# Altium PCB PCB-Mezzanine.PcbDoc
Units mm, origin at the board's own origin, x right, y up, seen from the top; angles counter-clockwise.
Board outline 133.2 x 100 mm, 2 copper layers (Top Layer, Bottom Layer); 362 components, 252 nets, 1142 pads, 0 vias.
Unrouted connection lines stored in the file: 844.
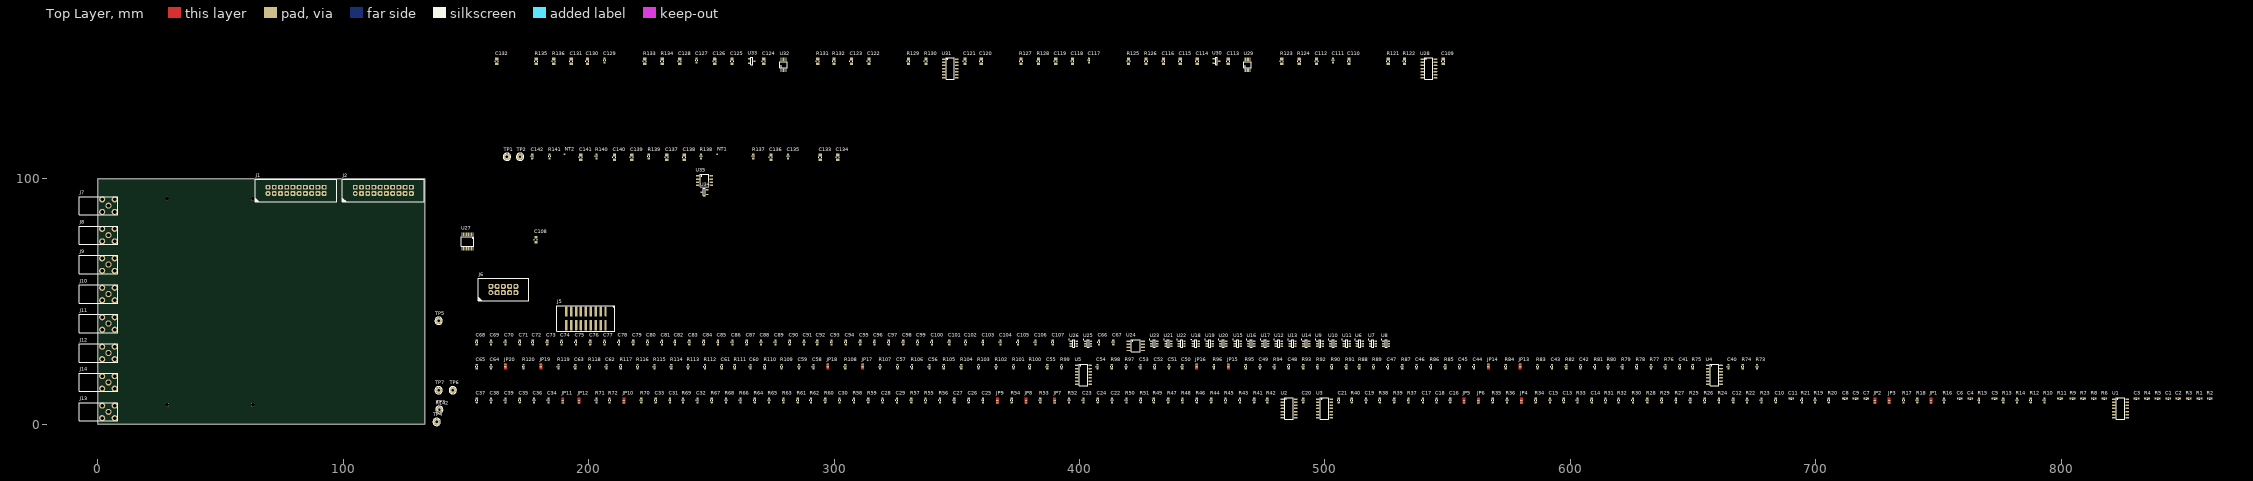
[diagram p0: Top Layer view]
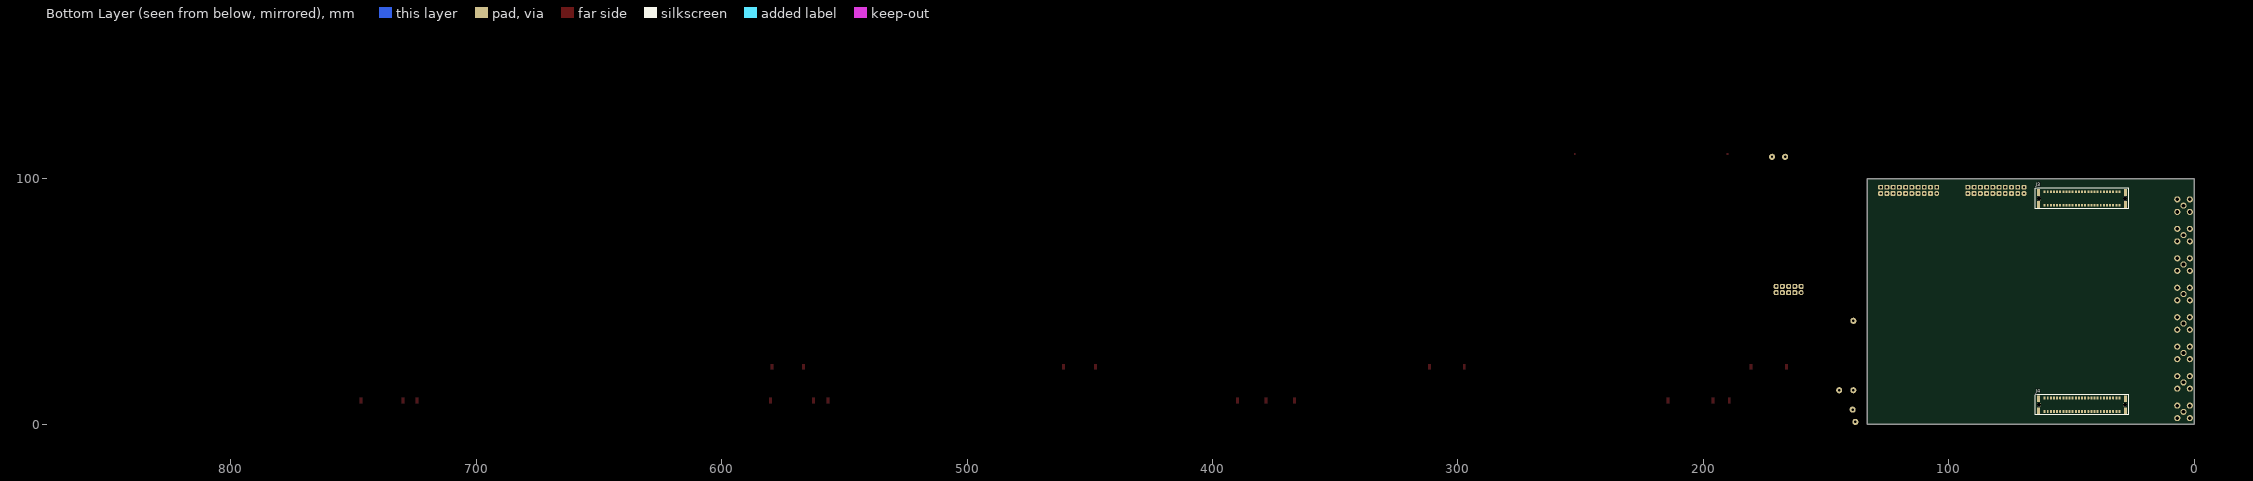
[diagram p1: Bottom Layer view, seen from below]

## Layer stack, top to bottom
Top Solder: solder mask 0.0102, Solder Resist, Dk 3.5
Top Layer: signal copper 0.0356
Dielectric 1: dielectric 0.32, FR-4, Dk 4.8
Bottom Layer: signal copper 0.0356
Bottom Solder: solder mask 0.0102, Solder Resist, Dk 3.5

## Board outline
0,0 133.2,0 133.2,100 0,100

## Design rules (kind name [scope] priority, off if disabled: settings)
Clearance [All] p1: gap=0.254 ignorepadtopadclearanceinfootprint=FALSE except(0: Arc-Hole Track-Hole SMDPad-Hole THPad-Hole Via-Hole Fill-Hole Poly-Hole Region-Hole Text-Hole)
DiffPairsRouting [All] p1: maxlimit=0.254 minlimit=0.254 mostfreqgap=0.254 toplayer_minwidth=0.381 toplayer_maxwidth=0.381 toplayer_prefwidth=0.381 bottomlayer_minwidth=0.381 bottomlayer_maxwidth=0.381 bottomlayer_prefwidth=0.381 maxuncoupledlength=12.7
PolygonConnect [All] p1: connectstyle=Relief reliefconductorwidth=0.254 reliefentries=4 polygonreliefangle="90 Angle" airgapwidth=0.254
RoomDefinition AD_3 [InComponentClass('AD_3')] p1: confinementstyle=ConfineIn formatcopy=TRUE lockcomponents=FALSE outline 153.543,28.956 527.05,28.956 527.05,37.592 153.543,37.592
RoomDefinition AD_1 [InComponentClass('AD_1')] p2: confinementstyle=ConfineIn formatcopy=TRUE lockcomponents=FALSE outline 153.543,15.24 680.085,15.24 680.085,27.686 153.543,27.686
RoomDefinition AD_0 [InComponentClass('AD_0')] p3: confinementstyle=ConfineIn formatcopy=TRUE lockcomponents=FALSE outline 153.543,1.524 862.203,1.524 862.203,13.97 153.543,13.97
RoutingVias [All] p1: holewidth=0.711 width=1.27 viastyle="Through Hole" minholewidth=0.4 minwidth=0.7 maxholewidth=0.4 maxwidth=0.7
SolderMaskExpansion [All] p1: expansion=0.102
Width [All] p1: maxlimit=0.254 minlimit=0.254 preferedwidth=0.254
29 further rules are at their usual default settings.

## Classes and differential pairs
component class Supply_0: C133 C134 C135 C136 C137 C138 C139 C140 C141 C142 NT1 NT2 R137 R138 R139 R140 R141 TP1 TP2 TP5 TP6 TP7 U34 U35
component class DAC_0: C109 C110 C111 C112 C113 C114 C115 C116 C117 C118 C119 C120 C121 C122 C123 C124 C125 C126 C127 C128 C129 C130 C131 C132 J7 J8 J9 J10 J11 J12 J13 J14 R121 R122 R123 R124 R125 R126 R127 R128 R129 R130 R131 R132 R133 R134 R135 R136 U28 U29 U30 U31 U32 U33
component class Connector_0: C108 J1 J2 J3 J4 J5 J6 U27
component class AD_3: C66 C67 C68 C69 C70 C71 C72 C73 C74 C75 C76 C77 C78 C79 C80 C81 C82 C83 C84 C85 C86 C87 C88 C89 C90 C91 C92 C93 C94 C95 C96 C97 C98 C99 C100 C101 C102 C103 C104 C105 C106 C107 R142 TP3 TP4 U6 U7 U8 U9 U10 U11 U12 U13 U14 U15 U16 U17 U18 U19 U20 U21 U22 U23 U24 U25 U26
component class AD_1: C40 C41 C42 C43 C44 C45 C46 C47 C48 C49 C50 C51 C52 C53 C54 C55 C56 C57 C58 C59 C60 C61 C62 C63 C64 C65 JP13 JP14 JP15 JP16 JP17 JP18 JP19 JP20 R73 R74 R75 R76 R77 R78 R79 R80 R81 R82 R83 R84 R85 R86 R87 R88 R89 R90 R91 R92 R93 R94 R95 R96 R97 R98 R99 R100 R101 R102 R103 R104 R105 R106 R107 R108 R109 R110 R111 R112 R113 R114 R115 R116 R117 R118 R119 R120 U4 U5
component class AD_0: C1 C2 C3 C4 C5 C6 C7 C8 C9 C10 C11 C12 C13 C14 C15 C16 C17 C18 C19 C20 C21 C22 C23 C24 C25 C26 C27 C28 C29 C30 C31 C32 C33 C34 C35 C36 C37 C38 C39 JP1 JP2 JP3 JP4 JP5 JP6 JP7 JP8 JP9 JP10 JP11 JP12 R1 R2 R3 R4 R5 R6 R7 R8 R9 R10 R11 R12 R13 R14 R15 R16 R17 R18 R19 R20 R21 R22 R23 R24 R25 R26 R27 R28 R29 R30 R31 R32 R33 R34 R35 R36 R37 R38 R39 R40 R41 R42 R43 R44 R45 R46 R47 R48 R49 R50 R51 R52 R53 R54 R55 R56 R57 R58 R59 R60 R61 R62 R63 R64 R65 R66 R67 R68 R69 R70 R71 R72 U1 U2 U3
differential pair MEAS_19: +MEAS_19_P -MEAS_19_N
differential pair MEAS_18: +MEAS_18_P -MEAS_18_N
differential pair MEAS_17: +MEAS_17_P -MEAS_17_N
differential pair MEAS_16: +MEAS_16_P -MEAS_16_N
differential pair MEAS_15: +MEAS_15_P -MEAS_15_N
differential pair MEAS_14: +MEAS_14_P -MEAS_14_N
differential pair MEAS_13: +MEAS_13_P -MEAS_13_N
differential pair MEAS_12: +MEAS_12_P -MEAS_12_N
differential pair MEAS_11: +MEAS_11_P -MEAS_11_N
differential pair MEAS_10: +MEAS_10_P -MEAS_10_N
differential pair MEAS_9: +MEAS_9_P -MEAS_9_N
differential pair MEAS_8: +MEAS_8_P -MEAS_8_N
differential pair MEAS_7: +MEAS_7_P -MEAS_7_N
differential pair MEAS_6: +MEAS_6_P -MEAS_6_N
differential pair MEAS_5: +MEAS_5_P -MEAS_5_N
differential pair MEAS_4: +MEAS_4_P -MEAS_4_N
differential pair MEAS_3: +MEAS_3_P -MEAS_3_N
differential pair MEAS_2: +MEAS_2_P -MEAS_2_N
differential pair MEAS_1: +MEAS_1_P -MEAS_1_N
differential pair MEAS_0: +MEAS_0_P -MEAS_0_N

## Components (designator, comment, footprint, x,y, rotation, side; value= is the part's Value field where it differs from the comment)
C1 "47p" "CAPACITOR 1608 REFLOW" 843.534,10.541 r0 top
C2 "47p" "CAPACITOR 1608 REFLOW" 847.598,10.541 r0 top
C3 "47p" "CAPACITOR 1608 REFLOW" 830.58,10.541 r0 top
C4 "2n2" "CAPACITOR 1608 REFLOW" 762.889,10.541 r0 top
C5 "2n2" "CAPACITOR 1608 REFLOW" 772.795,10.541 r0 top
C6 "2n2" "CAPACITOR 1608 REFLOW" 758.571,10.541 r0 top
C7 "47p" "CAPACITOR 1608 REFLOW" 720.471,10.541 r0 top
C8 "47p" "CAPACITOR 1608 REFLOW" 711.835,10.541 r0 top
C9 "47p" "CAPACITOR 1608 REFLOW" 716.153,10.541 r0 top
C10 "47p" "CAPACITOR 1608 REFLOW" 683.641,9.779 r90 top
C11 "47p" "CAPACITOR 1608 REFLOW" 689.991,10.541 r0 top
C12 "47p" "CAPACITOR 1608 REFLOW" 666.369,9.779 r90 top
C13 "2n2" "CAPACITOR 1608 REFLOW" 597.281,9.779 r90 top
C14 "2n2" "CAPACITOR 1608 REFLOW" 608.711,9.779 r90 top
C15 "2n2" "CAPACITOR 1608 REFLOW" 591.693,9.779 r90 top
C16 "47p" "CAPACITOR 1608 REFLOW" 551.053,9.779 r90 top
C17 "47p" "CAPACITOR 1608 REFLOW" 539.877,9.779 r90 top
C18 "47p" "CAPACITOR 1608 REFLOW" 545.465,9.779 r90 top
C19 "47p" "CAPACITOR 1608 REFLOW" 516.763,9.779 r90 top
C20 "47p" "CAPACITOR 1608 REFLOW" 491.109,9.779 r90 top
C21 "47p" "CAPACITOR 1608 REFLOW" 505.587,9.779 r90 top
C22 "2n2" "CAPACITOR 1608 REFLOW" 413.258,9.779 r90 top
C23 "2n2" "CAPACITOR 1608 REFLOW" 401.574,9.779 r90 top
C24 "2n2" "CAPACITOR 1608 REFLOW" 407.416,9.779 r90 top
C25 "47p" "CAPACITOR 1608 REFLOW" 360.68,9.779 r90 top
C26 "47p" "CAPACITOR 1608 REFLOW" 354.838,9.779 r90 top
C27 "47p" "CAPACITOR 1608 REFLOW" 348.996,9.779 r90 top
C28 "47p" "CAPACITOR 1608 REFLOW" 319.786,9.779 r90 top
C29 "47p" "CAPACITOR 1608 REFLOW" 325.628,9.779 r90 top
C30 "47p" "CAPACITOR 1608 REFLOW" 302.26,9.779 r90 top
C31 "2n2" "CAPACITOR 1608 REFLOW" 233.172,9.779 r90 top
C32 "2n2" "CAPACITOR 1608 REFLOW" 244.348,9.779 r90 top
C33 "2n2" "CAPACITOR 1608 REFLOW" 227.33,9.779 r90 top
C34 "47p" "CAPACITOR 1608 REFLOW" 183.642,9.779 r90 top
C35 "47p" "CAPACITOR 1608 REFLOW" 171.958,9.779 r90 top
C36 "47p" "CAPACITOR 1608 REFLOW" 177.8,9.779 r90 top
C37 "100n" "CAPACITOR 1608 REFLOW" 154.432,9.779 r90 top
C38 "100n" "CAPACITOR 1608 REFLOW" 160.274,9.779 r90 top
C39 "100n" "CAPACITOR 1608 REFLOW" 166.116,9.779 r90 top
C40 "47p" "CAPACITOR 1608 REFLOW" 664.337,23.495 r90 top
C41 "47p" "CAPACITOR 1608 REFLOW" 644.525,23.495 r90 top
C42 "2n2" "CAPACITOR 1608 REFLOW" 604.139,23.495 r90 top
C43 "2n2" "CAPACITOR 1608 REFLOW" 592.455,23.495 r90 top
C44 "47p" "CAPACITOR 1608 REFLOW" 560.705,23.495 r90 top
C45 "47p" "CAPACITOR 1608 REFLOW" 554.863,23.495 r90 top
C46 "47p" "CAPACITOR 1608 REFLOW" 537.337,23.495 r90 top
C47 "47p" "CAPACITOR 1608 REFLOW" 525.653,23.495 r90 top
C48 "2n2" "CAPACITOR 1608 REFLOW" 485.267,23.495 r90 top
C49 "2n2" "CAPACITOR 1608 REFLOW" 473.583,23.495 r90 top
C50 "100n" "CAPACITOR 1608 REFLOW" 441.833,23.495 r90 top
C51 "47p" "CAPACITOR 1608 REFLOW" 436.499,23.495 r90 top
C52 "47p" "CAPACITOR 1608 REFLOW" 430.657,23.495 r90 top
C53 "100n" "CAPACITOR 1608 REFLOW" 424.815,23.495 r90 top
C54 "47p" "CAPACITOR 1608 REFLOW" 407.289,23.495 r90 top
C55 "47p" "CAPACITOR 1608 REFLOW" 386.842,23.495 r90 top
C56 "2n2" "CAPACITOR 1608 REFLOW" 338.836,23.495 r90 top
C57 "2n2" "CAPACITOR 1608 REFLOW" 325.882,23.495 r90 top
C58 "47p" "CAPACITOR 1608 REFLOW" 291.592,23.495 r90 top
C59 "47p" "CAPACITOR 1608 REFLOW" 285.75,23.495 r90 top
C60 "47p" "CAPACITOR 1608 REFLOW" 265.938,23.495 r90 top
C61 "47p" "CAPACITOR 1608 REFLOW" 254.254,23.495 r90 top
C62 "2n2" "CAPACITOR 1608 REFLOW" 207.264,23.495 r90 top
C63 "2n2" "CAPACITOR 1608 REFLOW" 194.564,23.495 r90 top
C64 "47p" "CAPACITOR 1608 REFLOW" 160.274,23.495 r90 top
C65 "47p" "CAPACITOR 1608 REFLOW" 154.432,23.495 r90 top
C66 "1uF" "CAPACITOR 1608 REFLOW" 407.924,33.401 r90 top
C67 "2uF" "CAPACITOR 1608 REFLOW" 413.766,33.401 r90 top
C68 "1uF" "CAPACITOR 1608 REFLOW" 154.432,33.401 r90 top
C69 "10nF" "CAPACITOR 1608 REFLOW" 160.274,33.401 r90 top
C70 "1uF" "CAPACITOR 1608 REFLOW" 166.116,33.401 r90 top
C71 "10nF" "CAPACITOR 1608 REFLOW" 171.958,33.401 r90 top
C72 "1uF" "CAPACITOR 1608 REFLOW" 177.292,33.401 r90 top
C73 "10nF" "CAPACITOR 1608 REFLOW" 183.134,33.401 r90 top
C74 "1uF" "CAPACITOR 1608 REFLOW" 188.976,33.401 r90 top
C75 "10nF" "CAPACITOR 1608 REFLOW" 194.818,33.401 r90 top
C76 "1uF" "CAPACITOR 1608 REFLOW" 200.66,33.401 r90 top
C77 "10nF" "CAPACITOR 1608 REFLOW" 206.502,33.401 r90 top
C78 "1uF" "CAPACITOR 1608 REFLOW" 212.344,33.401 r90 top
C79 "10nF" "CAPACITOR 1608 REFLOW" 218.186,33.401 r90 top
C80 "1uF" "CAPACITOR 1608 REFLOW" 224.028,33.401 r90 top
C81 "10nF" "CAPACITOR 1608 REFLOW" 229.87,33.401 r90 top
C82 "1uF" "CAPACITOR 1608 REFLOW" 235.204,33.401 r90 top
C83 "10nF" "CAPACITOR 1608 REFLOW" 241.046,33.401 r90 top
C84 "1uF" "CAPACITOR 1608 REFLOW" 246.888,33.401 r90 top
C85 "10nF" "CAPACITOR 1608 REFLOW" 252.73,33.401 r90 top
C86 "1uF" "CAPACITOR 1608 REFLOW" 258.572,33.401 r90 top
C87 "10nF" "CAPACITOR 1608 REFLOW" 264.414,33.401 r90 top
C88 "1uF" "CAPACITOR 1608 REFLOW" 270.256,33.401 r90 top
C89 "10nF" "CAPACITOR 1608 REFLOW" 276.098,33.401 r90 top
C90 "1uF" "CAPACITOR 1608 REFLOW" 281.94,33.401 r90 top
C91 "10nF" "CAPACITOR 1608 REFLOW" 287.782,33.401 r90 top
C92 "1uF" "CAPACITOR 1608 REFLOW" 293.116,33.401 r90 top
C93 "10nF" "CAPACITOR 1608 REFLOW" 298.958,33.401 r90 top
C94 "1uF" "CAPACITOR 1608 REFLOW" 304.8,33.401 r90 top
C95 "10nF" "CAPACITOR 1608 REFLOW" 310.642,33.401 r90 top
C96 "1uF" "CAPACITOR 1608 REFLOW" 316.484,33.401 r90 top
C97 "10nF" "CAPACITOR 1608 REFLOW" 322.326,33.401 r90 top
C98 "1uF" "CAPACITOR 1608 REFLOW" 328.168,33.401 r90 top
C99 "10nF" "CAPACITOR 1608 REFLOW" 334.01,33.401 r90 top
C100 "1uF" "CAPACITOR 1608 REFLOW" 339.852,33.401 r90 top
C101 "10nF" "CAPACITOR 1608 REFLOW" 346.964,33.401 r90 top
C102 "1uF" "CAPACITOR 1608 REFLOW" 353.568,33.401 r90 top
C103 "10nF" "CAPACITOR 1608 REFLOW" 360.68,33.401 r90 top
C104 "1uF" "CAPACITOR 1608 REFLOW" 367.792,33.401 r90 top
C105 "10nF" "CAPACITOR 1608 REFLOW" 374.904,33.401 r90 top
C106 "1uF" "CAPACITOR 1608 REFLOW" 382.016,33.401 r90 top
C107 "10nF" "CAPACITOR 1608 REFLOW" 389.128,33.401 r90 top
C108 "100n" "CAPACITOR 2012 REFLOW" 178.562,75.184 r90 top
C109 "100p" "CAPACITOR 2012 REFLOW" 548.139,147.889 r90 top
C110 "150p" "CAPACITOR 2012 REFLOW" 509.785,147.889 r90 top
C111 "100n" "CAPACITOR 1608 REFLOW" 503.308,148.27 r90 top
C112 "100p" "CAPACITOR 2012 REFLOW" 496.577,147.889 r90 top
C113 "150p" "CAPACITOR 2012 REFLOW" 460.636,147.889 r90 top
C114 "100n" "CAPACITOR 2012 REFLOW" 447.936,147.889 r90 top
C115 "1u" "CAPACITOR 2012 REFLOW" 441.078,147.889 r90 top
C116 "100p" "CAPACITOR 2012 REFLOW" 434.22,147.889 r90 top
C117 "100n" "CAPACITOR 1608 REFLOW" 403.867,148.27 r90 top
C118 "150p" "CAPACITOR 2012 REFLOW" 397.136,147.889 r90 top
C119 "100p" "CAPACITOR 2012 REFLOW" 390.278,147.889 r90 top
C120 "150p" "CAPACITOR 2012 REFLOW" 359.925,147.889 r90 top
C121 "100p" "CAPACITOR 2012 REFLOW" 353.321,147.889 r90 top
C122 "150p" "CAPACITOR 2012 REFLOW" 314.205,147.889 r90 top
C123 "100p" "CAPACITOR 2012 REFLOW" 307.093,147.889 r90 top
C124 "150p" "CAPACITOR 2012 REFLOW" 271.406,147.889 r90 top
C125 "100n" "CAPACITOR 2012 REFLOW" 258.452,147.889 r90 top
C126 "1u" "CAPACITOR 2012 REFLOW" 251.34,147.889 r90 top
C127 "100n" "CAPACITOR 1608 REFLOW" 243.974,148.27 r90 top
C128 "100p" "CAPACITOR 2012 REFLOW" 237.116,147.889 r90 top
C129 "100n" "CAPACITOR 1608 REFLOW" 206.509,148.27 r90 top
C130 "150p" "CAPACITOR 2012 REFLOW" 199.524,147.889 r90 top
C131 "100p" "CAPACITOR 2012 REFLOW" 192.92,147.889 r90 top
C132 "150p" "CAPACITOR 2012 REFLOW" 162.567,147.889 r90 top
C133 "10uF" "CAPACITOR 2012 REFLOW" 294.356,108.756 r90 top
C134 "100nF" "CAPACITOR 2012 REFLOW" 301.468,108.756 r90 top
C135 "100n" "CAPACITOR 1608 REFLOW" 281.275,109.137 r90 top
C136 "3u3" "CAPACITOR 2012 REFLOW" 274.29,108.756 r90 top
C137 "10uF" "CAPACITOR 2012 REFLOW" 231.872,108.756 r90 top
C138 "100nF" "CAPACITOR 2012 REFLOW" 238.984,108.756 r90 top
C139 "10u" "CAPACITOR 2012 REFLOW" 217.648,108.756 r90 top
C140 "3u3" "CAPACITOR 2012 REFLOW" 210.536,108.756 r90 top
C141 "1u" "CAPACITOR 2012 REFLOW" 196.82,108.756 r90 top
C142 "100n" "CAPACITOR 1608 REFLOW" 177.008,109.137 r90 top
J1 "61202021621" "FlatCable2x10 2.54MM Straight TH" 80.83,95.33 r0 top locked
J2 "61202021621" "FlatCable2x10 2.54MM Straight TH" 116.37,95.33 r0 top locked
J3 "ERNI SMC-Q50-SMD-BA" "ERNI SMC-Q50-SMD-BA" 45.75,92 r0 bottom locked
J4 "ERNI SMC-Q50-SMD-BA" "ERNI SMC-Q50-SMD-BA" 45.75,8 r0 bottom locked
J5 "98464-G61-18ULF" "FlatCable2x9 2MM Straight SMD FCI 98414-G52-18ALF" 198.9,43.2 r180 top
J6 "61201021721" "FlatCable2x5 2.54MM Straight TH" 165.28,54.93 r0 top
J7 "CONSMA002-G" "SMA TH Right Angle Linx CONSMA002" 4.4,89.1 r0 top locked
J8 "CONSMA002-G" "SMA TH Right Angle Linx CONSMA002" 4.4,77.1 r0 top locked
J9 "CONSMA002-G" "SMA TH Right Angle Linx CONSMA002" 4.4,65.1 r0 top locked
J10 "CONSMA002-G" "SMA TH Right Angle Linx CONSMA002" 4.4,53.1 r0 top locked
J11 "CONSMA002-G" "SMA TH Right Angle Linx CONSMA002" 4.4,41.1 r0 top locked
J12 "CONSMA002-G" "SMA TH Right Angle Linx CONSMA002" 4.4,29.1 r0 top locked
J13 "CONSMA002-G" "SMA TH Right Angle Linx CONSMA002" 4.4,5.1 r0 top locked
J14 "CONSMA002-G" "SMA TH Right Angle Linx CONSMA002" 4.4,17.1 r0 top locked
JP1 "{Value}" "JUMPER3 SMD 1608" 746.887,9.779 r90 top
JP2 "{Value}" "JUMPER3 SMD 1608" 724.027,9.779 r90 top
JP3 "{Value}" "JUMPER3 SMD 1608" 729.869,9.779 r90 top
JP4 "{Value}" "JUMPER3 SMD 1608" 580.009,9.779 r90 top
JP5 "{Value}" "JUMPER3 SMD 1608" 556.641,9.779 r90 top
JP6 "{Value}" "JUMPER3 SMD 1608" 562.483,9.779 r90 top
JP7 "{Value}" "JUMPER3 SMD 1608" 389.89,9.779 r90 top
JP8 "{Value}" "JUMPER3 SMD 1608" 378.206,9.779 r90 top
JP9 "{Value}" "JUMPER3 SMD 1608" 366.522,9.779 r90 top
JP10 "{Value}" "JUMPER3 SMD 1608" 214.376,9.779 r90 top
JP11 "{Value}" "JUMPER3 SMD 1608" 189.484,9.779 r90 top
JP12 "{Value}" "JUMPER3 SMD 1608" 196.088,9.779 r90 top
JP13 "{Value}" "JUMPER3 SMD 1608" 579.501,23.495 r90 top
JP14 "{Value}" "JUMPER3 SMD 1608" 566.547,23.495 r90 top
JP15 "{Value}" "JUMPER3 SMD 1608" 460.629,23.495 r90 top
JP16 "{Value}" "JUMPER3 SMD 1608" 447.675,23.495 r90 top
JP17 "{Value}" "JUMPER3 SMD 1608" 311.658,23.495 r90 top
JP18 "{Value}" "JUMPER3 SMD 1608" 297.434,23.495 r90 top
JP19 "{Value}" "JUMPER3 SMD 1608" 180.594,23.495 r90 top
JP20 "{Value}" "JUMPER3 SMD 1608" 166.116,23.495 r90 top
NT1 "Net Tie" "NET TIE 1005" 252.446,110.153 r90 top net-tie
NT2 "Net Tie" "NET TIE 1005" 190.216,110.153 r90 top net-tie
R1 "18k" "RESISTOR 1608 REFLOW" 856.234,10.541 r0 top
R2 "18k" "RESISTOR 1608 REFLOW" 860.425,10.541 r0 top
R3 "18k" "RESISTOR 1608 REFLOW" 851.916,10.541 r0 top
R4 "8k2" "RESISTOR 1608 REFLOW" 834.898,10.541 r0 top
R5 "8k2" "RESISTOR 1608 REFLOW" 839.216,10.541 r0 top
R6 "8k2" "RESISTOR 1608 REFLOW" 817.499,10.541 r0 top
R7 "82R" "RESISTOR 1608 REFLOW" 808.863,10.541 r0 top
R8 "82R" "RESISTOR 1608 REFLOW" 813.181,10.541 r0 top
R9 "82R" "RESISTOR 1608 REFLOW" 804.545,10.541 r0 top
R10 "8k2" "RESISTOR 1608 REFLOW" 793.115,9.779 r90 top
R11 "8k2" "RESISTOR 1608 REFLOW" 799.465,10.541 r0 top
R12 "8k2" "RESISTOR 1608 REFLOW" 787.527,9.779 r90 top
R13 "10k" "RESISTOR 1608 REFLOW" 776.351,9.779 r90 top
R14 "10k" "RESISTOR 1608 REFLOW" 781.939,9.779 r90 top
R15 "10k" "RESISTOR 1608 REFLOW" 766.445,9.779 r90 top
R16 "18k" "RESISTOR 1608 REFLOW" 752.221,9.779 r90 top
R17 "18k" "RESISTOR 1608 REFLOW" 735.711,9.779 r90 top
R18 "18k" "RESISTOR 1608 REFLOW" 741.299,9.779 r90 top
R19 "18k" "RESISTOR 1608 REFLOW" 699.643,9.779 r90 top
R20 "18k" "RESISTOR 1608 REFLOW" 705.231,9.779 r90 top
R21 "18k" "RESISTOR 1608 REFLOW" 694.309,9.779 r90 top
R22 "8k2" "RESISTOR 1608 REFLOW" 671.957,9.779 r90 top
R23 "8k2" "RESISTOR 1608 REFLOW" 677.799,9.779 r90 top
R24 "8k2" "RESISTOR 1608 REFLOW" 660.527,9.779 r90 top
R25 "82R" "RESISTOR 1608 REFLOW" 648.843,9.779 r90 top
R26 "82R" "RESISTOR 1608 REFLOW" 654.685,9.779 r90 top
R27 "82R" "RESISTOR 1608 REFLOW" 643.001,9.779 r90 top
R28 "8k2" "RESISTOR 1608 REFLOW" 631.317,9.779 r90 top
R29 "8k2" "RESISTOR 1608 REFLOW" 637.159,9.779 r90 top
R30 "8k2" "RESISTOR 1608 REFLOW" 625.475,9.779 r90 top
R31 "10k" "RESISTOR 1608 REFLOW" 614.299,9.779 r90 top
R32 "10k" "RESISTOR 1608 REFLOW" 619.633,9.779 r90 top
R33 "10k" "RESISTOR 1608 REFLOW" 602.869,9.779 r90 top
R34 "18k" "RESISTOR 1608 REFLOW" 585.851,9.779 r90 top
R35 "18k" "RESISTOR 1608 REFLOW" 568.325,9.779 r90 top
R36 "18k" "RESISTOR 1608 REFLOW" 574.167,9.779 r90 top
R37 "18k" "RESISTOR 1608 REFLOW" 534.035,9.779 r90 top
R38 "18k" "RESISTOR 1608 REFLOW" 522.351,9.779 r90 top
R39 "18k" "RESISTOR 1608 REFLOW" 528.193,9.779 r90 top
R40 "8k2" "RESISTOR 1608 REFLOW" 510.921,9.779 r90 top
R41 "8k2" "RESISTOR 1608 REFLOW" 471.17,9.779 r90 top
R42 "8k2" "RESISTOR 1608 REFLOW" 476.504,9.779 r90 top
R43 "82R" "RESISTOR 1608 REFLOW" 465.328,9.779 r90 top
R44 "82R" "RESISTOR 1608 REFLOW" 453.644,9.779 r90 top
R45 "82R" "RESISTOR 1608 REFLOW" 459.486,9.779 r90 top
R46 "8k2" "RESISTOR 1608 REFLOW" 447.802,9.779 r90 top
R47 "8k2" "RESISTOR 1608 REFLOW" 436.118,9.779 r90 top
R48 "8k2" "RESISTOR 1608 REFLOW" 441.96,9.779 r90 top
R49 "10k" "RESISTOR 1608 REFLOW" 430.276,9.779 r90 top
R50 "10k" "RESISTOR 1608 REFLOW" 419.1,9.779 r90 top
R51 "10k" "RESISTOR 1608 REFLOW" 424.942,9.779 r90 top
R52 "18k" "RESISTOR 1608 REFLOW" 395.732,9.779 r90 top
R53 "18k" "RESISTOR 1608 REFLOW" 384.048,9.779 r90 top
R54 "18k" "RESISTOR 1608 REFLOW" 372.364,9.779 r90 top
R55 "18k" "RESISTOR 1608 REFLOW" 337.312,9.779 r90 top
R56 "18k" "RESISTOR 1608 REFLOW" 343.154,9.779 r90 top
R57 "18k" "RESISTOR 1608 REFLOW" 331.47,9.779 r90 top
R58 "8k2" "RESISTOR 1608 REFLOW" 308.102,9.779 r90 top
R59 "8k2" "RESISTOR 1608 REFLOW" 313.944,9.779 r90 top
R60 "8k2" "RESISTOR 1608 REFLOW" 296.418,9.779 r90 top
R61 "82R" "RESISTOR 1608 REFLOW" 285.242,9.779 r90 top
R62 "82R" "RESISTOR 1608 REFLOW" 290.576,9.779 r90 top
R63 "82R" "RESISTOR 1608 REFLOW" 279.4,9.779 r90 top
R64 "8k2" "RESISTOR 1608 REFLOW" 267.716,9.779 r90 top
R65 "8k2" "RESISTOR 1608 REFLOW" 273.558,9.779 r90 top
R66 "8k2" "RESISTOR 1608 REFLOW" 261.874,9.779 r90 top
R67 "10k" "RESISTOR 1608 REFLOW" 250.19,9.779 r90 top
R68 "10k" "RESISTOR 1608 REFLOW" 256.032,9.779 r90 top
R69 "10k" "RESISTOR 1608 REFLOW" 238.506,9.779 r90 top
R70 "18k" "RESISTOR 1608 REFLOW" 221.488,9.779 r90 top
R71 "18k" "RESISTOR 1608 REFLOW" 203.2,9.779 r90 top
R72 "18k" "RESISTOR 1608 REFLOW" 208.534,9.779 r90 top
R73 "18k" "RESISTOR 1608 REFLOW" 676.021,23.495 r90 top
R74 "18k" "RESISTOR 1608 REFLOW" 670.179,23.495 r90 top
R75 "8k2" "RESISTOR 1608 REFLOW" 649.859,23.495 r90 top
R76 "8k2" "RESISTOR 1608 REFLOW" 638.683,23.495 r90 top
R77 "82R" "RESISTOR 1608 REFLOW" 632.841,23.495 r90 top
R78 "82R" "RESISTOR 1608 REFLOW" 626.999,23.495 r90 top
R79 "8k2" "RESISTOR 1608 REFLOW" 621.157,23.495 r90 top
R80 "8k2" "RESISTOR 1608 REFLOW" 615.315,23.495 r90 top
R81 "10k" "RESISTOR 1608 REFLOW" 609.981,23.495 r90 top
R82 "10k" "RESISTOR 1608 REFLOW" 598.297,23.495 r90 top
R83 "18k" "RESISTOR 1608 REFLOW" 586.613,23.495 r90 top
R84 "18k" "RESISTOR 1608 REFLOW" 573.659,23.495 r90 top
R85 "18k" "RESISTOR 1608 REFLOW" 549.021,23.495 r90 top
R86 "18k" "RESISTOR 1608 REFLOW" 543.179,23.495 r90 top
R87 "8k2" "RESISTOR 1608 REFLOW" 531.495,23.495 r90 top
R88 "8k2" "RESISTOR 1608 REFLOW" 513.969,23.495 r90 top
R89 "82R" "RESISTOR 1608 REFLOW" 519.811,23.495 r90 top
R90 "82R" "RESISTOR 1608 REFLOW" 502.793,23.495 r90 top
R91 "8k2" "RESISTOR 1608 REFLOW" 508.635,23.495 r90 top
R92 "8k2" "RESISTOR 1608 REFLOW" 496.951,23.495 r90 top
R93 "10k" "RESISTOR 1608 REFLOW" 491.109,23.495 r90 top
R94 "10k" "RESISTOR 1608 REFLOW" 479.425,23.495 r90 top
R95 "18k" "RESISTOR 1608 REFLOW" 467.741,23.495 r90 top
R96 "18k" "RESISTOR 1608 REFLOW" 454.787,23.495 r90 top
R97 "18k" "RESISTOR 1608 REFLOW" 418.973,23.495 r90 top
R98 "18k" "RESISTOR 1608 REFLOW" 413.131,23.495 r90 top
R99 "8k2" "RESISTOR 1608 REFLOW" 392.684,23.495 r90 top
R100 "8k2" "RESISTOR 1608 REFLOW" 379.73,23.495 r90 top
R101 "82R" "RESISTOR 1608 REFLOW" 373.126,23.495 r90 top
R102 "82R" "RESISTOR 1608 REFLOW" 366.014,23.495 r90 top
R103 "8k2" "RESISTOR 1608 REFLOW" 358.902,23.495 r90 top
R104 "8k2" "RESISTOR 1608 REFLOW" 351.79,23.495 r90 top
R105 "10k" "RESISTOR 1608 REFLOW" 344.678,23.495 r90 top
R106 "10k" "RESISTOR 1608 REFLOW" 331.724,23.495 r90 top